# Altium PCB qfc.PcbDoc (part 7 of 13) (continued)
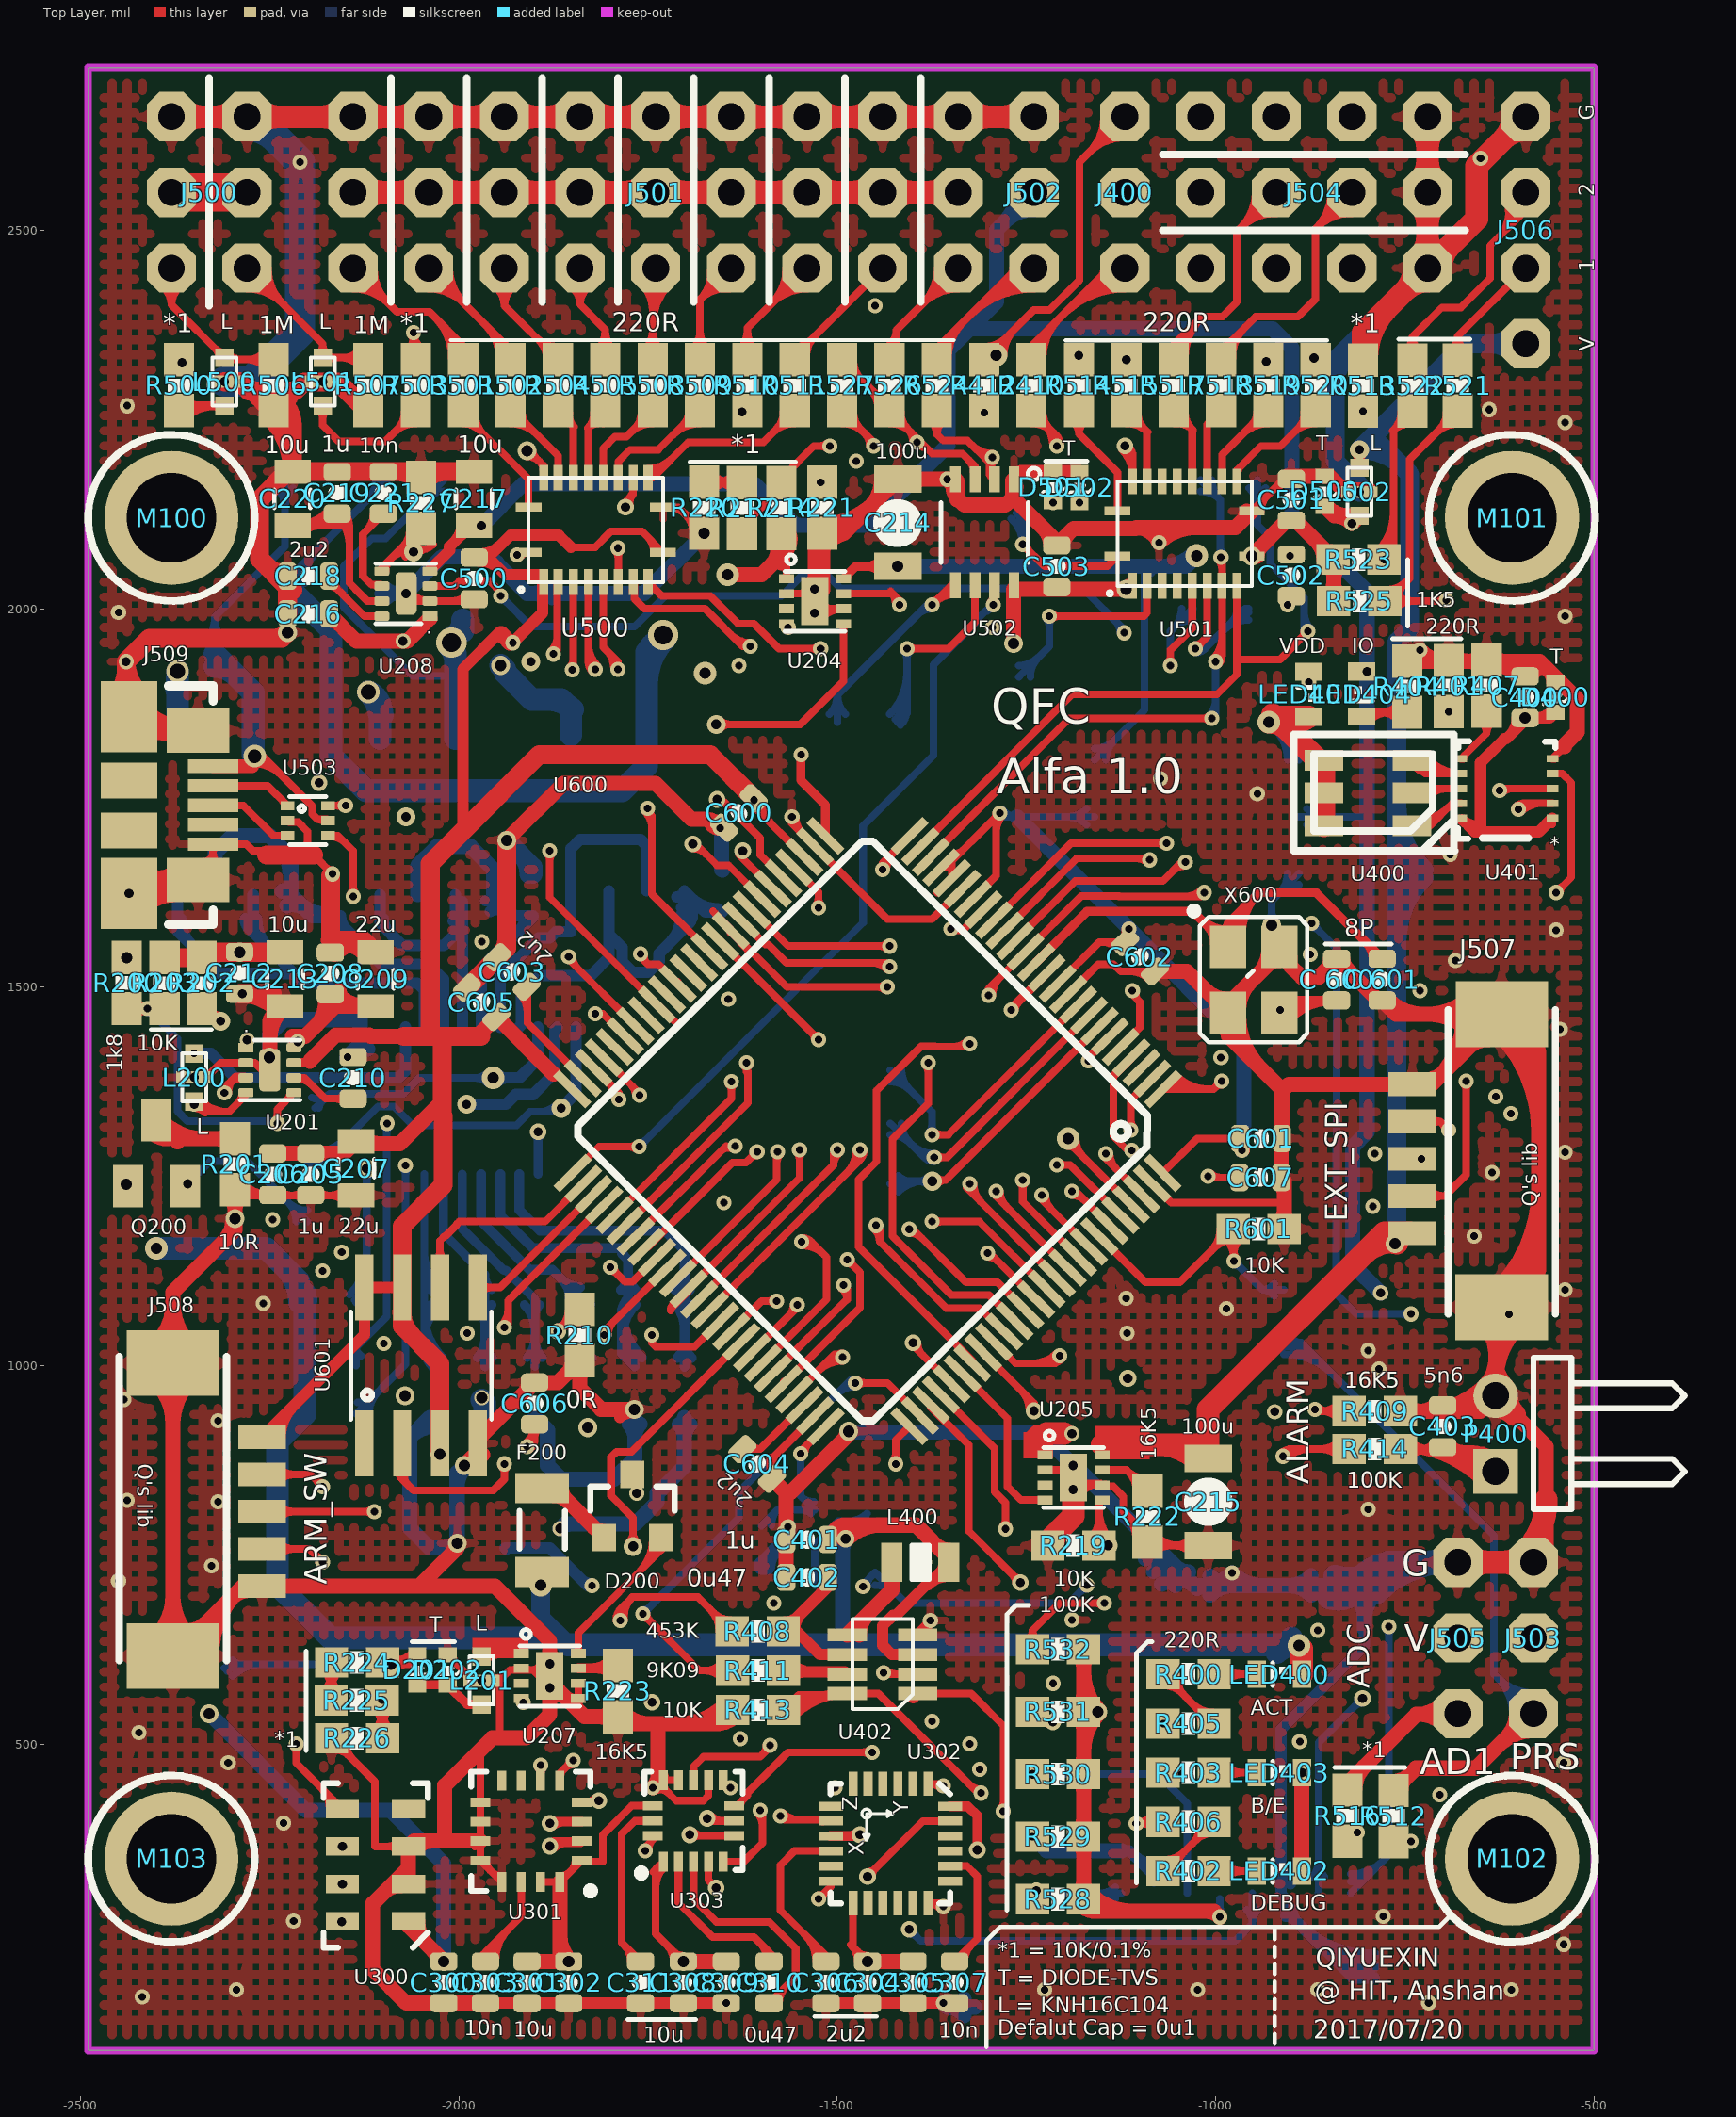
[diagram p0: Top Layer view]
## Nets (pads, with @x,y where several pads share a name; then routed paths per layer and width w, separated by ;. In a path a pad name is that pad's centre, name@x,y a point inside that pad or via, vN(x,y) a via of type N, cw(c..) or ccw(c..) an arc to the next point about the centre after c; other vN are vias at no path point) (continued)
  Bottom Layer w10: v1(-873,1584) -840,1551 -840,1299.3 -841,1298.3 -841,1095 -814,1068 v1(-742,1068) ; v1@-873,1579 cw(c-873,1566.93) -864.46,1575.46 ; v1@-873,1579 cw(c-873,1566.93) -864.46,1575.46 ; v1@-873,1579 cw(c-873,1566.93) -864.46,1575.46 ; v1@-873,1579 cw(c-873,1566.93) -864.46,1575.46 ; v1@-868,1584 ccw(c-855.93,1584) -864.46,1575.46 ; v1@-868,1584 ccw(c-855.93,1584) -864.46,1575.46 ; v1@-868,1584 ccw(c-855.93,1584) -864.46,1575.46 ; v1@-868,1584 ccw(c-855.93,1584) -864.46,1575.46 ; -754.07,1068 cw(c-754.07,1055.93) v1@-745.54,1064.46 ; -754.07,1068 ccw(c-754.07,1080.07) v1@-745.54,1071.54 ; -754.07,1068 cw(c-754.07,1055.93) v1@-745.54,1064.46 ; -754.07,1068 ccw(c-754.07,1080.07) v1@-745.54,1071.54 ; -754.07,1068 cw(c-754.07,1055.93) v1@-745.54,1064.46 ; -754.07,1068 ccw(c-754.07,1080.07) v1@-745.54,1071.54 ; -754.07,1068 cw(c-754.07,1055.93) v1@-745.54,1064.46 ; -754.07,1068 ccw(c-754.07,1080.07) v1@-745.54,1071.54
NetC603_P$1: C603.P$1 U600.49 | length 261.5
  Top Layer w10: C603.P$1@-1910.51,1500.51 -1909.5,1499.5 -1909.5,1452.62 U600.49@-1836.15,1379.27 ; C603.P$1@-1919.71,1491.32 cw(c-1944.34,1466.68) -1909.5,1466.68 ; C603.P$1@-1919.71,1491.32 cw(c-1944.34,1466.68) -1909.5,1466.68 ; C603.P$1@-1919.71,1491.32 cw(c-1944.34,1466.68) -1909.5,1466.68 ; C603.P$1@-1919.71,1491.32 cw(c-1944.34,1466.68) -1909.5,1466.68
NetC604_P$1: C604.P$1 U600.73 | length 170.5
  Top Layer w10: C604.P$1@-1625.49,889.49 -1601.91,889.49 ; U600.73@-1543.44,947.96 -1601.91,889.49 ; C604.P$1@-1615.16,897.19 ccw(c-1601.91,904.73) -1601.91,889.49 ; C604.P$1@-1615.16,897.19 ccw(c-1601.91,904.73) -1601.91,889.49 ; C604.P$1@-1615.16,897.19 ccw(c-1601.91,904.73) -1601.91,889.49 ; C604.P$1@-1615.16,897.19 ccw(c-1601.91,904.73) -1601.91,889.49
"NetC 600_P$1": "C 600.P$1" U600.12 X600.3 | length 1210.2
  Top Layer w12: v1@-1270,1471.72 U600.12@-1223.15,1518.57 ; X600.3@-915,1467 X600.3@-916,1466 -899.56,1482.44 -840,1482.44 ; v1@-1266,1470 cw(c-1252.2,1470) -1261.96,1479.76 ; v1@-1266,1470 cw(c-1252.2,1470) -1261.96,1479.76 ; v1@-1266,1470 cw(c-1252.2,1470) -1261.96,1479.76 ; v1@-1266,1470 cw(c-1252.2,1470) -1261.96,1479.76 ; X600.3@-915,1474 ccw(c-915,1490.9) X600.3@-903.05,1478.95 ; X600.3@-915,1474 ccw(c-915,1490.9) X600.3@-903.05,1478.95 ; X600.3@-915,1474 ccw(c-915,1490.9) X600.3@-903.05,1478.95 ; X600.3@-915,1474 ccw(c-915,1490.9) X600.3@-903.05,1478.95 ; X600.3@-911.76,1465.76 cw(c-871.48,1425.48) -871.48,1482.44 ; X600.3@-911.76,1465.76 cw(c-871.48,1425.48) -871.48,1482.44 ; X600.3@-911.76,1465.76 cw(c-871.48,1425.48) -871.48,1482.44 ; X600.3@-911.76,1465.76 cw(c-871.48,1425.48) -871.48,1482.44 ; X600.3@-903.27,1457.27 cw(c-842.51,1396.51) -842.51,1482.44 ; X600.3@-903.27,1457.27 cw(c-842.51,1396.51) -842.51,1482.44 ; X600.3@-903.27,1457.27 cw(c-842.51,1396.51) -842.51,1482.44 ; X600.3@-903.27,1457.27 cw(c-842.51,1396.51) -842.51,1482.44 ; -860.49,1482.44 cw(c-860.49,1467.96) -850.24,1478.2 ; -860.49,1482.44 ccw(c-860.49,1496.93) -850.24,1486.68 ; -860.49,1482.44 cw(c-860.49,1467.96) -850.24,1478.2 ; -860.49,1482.44 ccw(c-860.49,1496.93) -850.24,1486.68 ; -860.49,1482.44 cw(c-860.49,1467.96) -850.24,1478.2 ; -860.49,1482.44 ccw(c-860.49,1496.93) -850.24,1486.68 ; -860.49,1482.44 cw(c-860.49,1467.96) -850.24,1478.2 ; -860.49,1482.44 ccw(c-860.49,1496.93) -850.24,1486.68
  Mid-Layer 1 w12: v1(-1270,1470) -1269.65,1469.65 -915.35,1469.65 v1(-915,1470) ; v1@-1267.17,1472.83 ccw(c-1259.51,1480.49) -1259.51,1469.65 ; v1@-1267.17,1472.83 ccw(c-1259.51,1480.49) -1259.51,1469.65 ; v1@-1267.17,1472.83 ccw(c-1259.51,1480.49) -1259.51,1469.65 ; v1@-1267.17,1472.83 ccw(c-1259.51,1480.49) -1259.51,1469.65 ; -925.49,1469.65 ccw(c-925.49,1480.49) v1@-917.83,1472.83 ; -925.49,1469.65 ccw(c-925.49,1480.49) v1@-917.83,1472.83 ; -925.49,1469.65 ccw(c-925.49,1480.49) v1@-917.83,1472.83 ; -925.49,1469.65 ccw(c-925.49,1480.49) v1@-917.83,1472.83
"NetC 601_P$2": "C 601.P$2" U600.13 X600.1 | length 1712.1
  Top Layer w12: U600.13@-1237.29,1532.71 -1170,1600 -1030.15,1600 X600.1@-983.46,1553.31 -983.46,1584.54 ; -780,1537.56 -867.44,1625 -943,1625 ; -1021.02,1590.87 ccw(c-983.46,1628.42) X600.1@-983.46,1575.31 ; -1021.02,1590.87 ccw(c-983.46,1628.42) X600.1@-983.46,1575.31 ; -1021.02,1590.87 ccw(c-983.46,1628.42) X600.1@-983.46,1575.31 ; -1021.02,1590.87 ccw(c-983.46,1628.42) X600.1@-983.46,1575.31 ; -1011.36,1581.21 cw(c-1035.26,1557.31) X600.1@-1001.46,1557.31 ; -1011.36,1581.21 cw(c-1035.26,1557.31) X600.1@-1001.46,1557.31 ; -1011.36,1581.21 cw(c-1035.26,1557.31) X600.1@-1001.46,1557.31 ; -1011.36,1581.21 cw(c-1035.26,1557.31) X600.1@-1001.46,1557.31 ; X600.1@-990.51,1573.87 ccw(c-995.05,1584.53) -983.46,1584.53 ; X600.1@-990.51,1573.87 ccw(c-995.05,1584.53) -983.46,1584.53 ; X600.1@-990.51,1573.87 ccw(c-995.05,1584.53) -983.46,1584.53 ; X600.1@-990.51,1573.87 ccw(c-995.05,1584.53) -983.46,1584.53 ; X600.1@-989.42,1556.58 cw(c-949.17,1561.49) -977.84,1590.16 ; X600.1@-989.42,1556.58 cw(c-949.17,1561.49) -977.84,1590.16 ; X600.1@-989.42,1556.58 cw(c-949.17,1561.49) -977.84,1590.16 ; X600.1@-989.42,1556.58 cw(c-949.17,1561.49) -977.84,1590.16 ; -983.46,1584.53 ccw(c-971.87,1584.53) X600.1@-976.41,1573.87 ; -983.46,1584.53 ccw(c-971.87,1584.53) X600.1@-976.41,1573.87 ; -983.46,1584.53 ccw(c-971.87,1584.53) X600.1@-976.41,1573.87 ; -983.46,1584.53 ccw(c-971.87,1584.53) X600.1@-976.41,1573.87 ; -983.46,1584.54 -943,1625 ; X600.1@-977.51,1558.03 cw(c-918.11,1565.27) -960.42,1607.58 ; X600.1@-977.51,1558.03 cw(c-918.11,1565.27) -960.42,1607.58 ; X600.1@-977.51,1558.03 cw(c-918.11,1565.27) -960.42,1607.58 ; X600.1@-977.51,1558.03 cw(c-918.11,1565.27) -960.42,1607.58 ; X600.1@-965.6,1559.49 cw(c-887.06,1569.05) -943,1625 ; X600.1@-965.6,1559.49 cw(c-887.06,1569.05) -943,1625 ; X600.1@-965.6,1559.49 cw(c-887.06,1569.05) -943,1625 ; X600.1@-965.6,1559.49 cw(c-887.06,1569.05) -943,1625 ; -800.49,1558.05 cw(c-820.97,1537.56) -792,1537.56 ; -800.49,1558.05 cw(c-820.97,1537.56) -792,1537.56 ; -800.49,1558.05 cw(c-820.97,1537.56) -792,1537.56 ; -800.49,1558.05 cw(c-820.97,1537.56) -792,1537.56
NetD200_1: D200.1 F200.1 | length 321.1
  Top Layer w20: F200.1@-1890,838.12 -1873.81,838.12 D200.1@-1808.4,772.71 ; F200.1@-1874.5,828.12 cw(c-1874.5,802.31) F200.1@-1856.25,820.56 ; F200.1@-1874.5,828.12 cw(c-1874.5,802.31) F200.1@-1856.25,820.56 ; F200.1@-1874.5,828.12 cw(c-1874.5,802.31) F200.1@-1856.25,820.56 ; F200.1@-1874.5,828.12 cw(c-1874.5,802.31) F200.1@-1856.25,820.56 ; F200.1@-1864.5,838.12 ccw(c-1842.02,838.12) F200.1@-1857.92,822.22 ; F200.1@-1864.5,838.12 ccw(c-1842.02,838.12) F200.1@-1857.92,822.22 ; F200.1@-1864.5,838.12 ccw(c-1842.02,838.12) F200.1@-1857.92,822.22 ; F200.1@-1864.5,838.12 ccw(c-1842.02,838.12) F200.1@-1857.92,822.22 ; D200.1@-1822.06,786.36 ccw(c-1808.4,800.02) D200.1@-1808.4,780.71 ; D200.1@-1822.06,786.36 ccw(c-1808.4,800.02) D200.1@-1808.4,780.71 ; D200.1@-1822.06,786.36 ccw(c-1808.4,800.02) D200.1@-1808.4,780.71 ; D200.1@-1822.06,786.36 ccw(c-1808.4,800.02) D200.1@-1808.4,780.71
NetD200_2: D200.2 U207.8 | length 511.8
  Top Layer w10: U207.8@-1842,619.53 -1842,647.04 -1733,756.04 D200.2@-1733,772.71 ; -1762.15,726.89 ccw(c-1805.96,770.71) D200.2@-1744,770.71 ; -1762.15,726.89 ccw(c-1805.96,770.71) D200.2@-1744,770.71 ; -1762.15,726.89 ccw(c-1805.96,770.71) D200.2@-1744,770.71 ; -1762.15,726.89 ccw(c-1805.96,770.71) D200.2@-1744,770.71 ; -1745.08,743.96 ccw(c-1771.82,770.71) D200.2@-1734,770.71 ; -1745.08,743.96 ccw(c-1771.82,770.71) D200.2@-1734,770.71 ; -1745.08,743.96 ccw(c-1771.82,770.71) D200.2@-1734,770.71 ; -1745.08,743.96 ccw(c-1771.82,770.71) D200.2@-1734,770.71
NetD201_C: D201.C D202.C L201.P$1 | length 232.2
  Top Layer w12: D201.C@-2055,577.93 D202.C@-2015,577.93 -1989.19,552.12 L201.P$1@-1970,552.12 ; D202.C@-2009,577.93 ccw(c-1994.51,577.93) -2004.76,567.69 ; D202.C@-2009,577.93 ccw(c-1994.51,577.93) -2004.76,567.69 ; D202.C@-2009,577.93 ccw(c-1994.51,577.93) -2004.76,567.69 ; D202.C@-2009,577.93 ccw(c-1994.51,577.93) -2004.76,567.69 ; -1984.48,552.12 cw(c-1984.48,537.63) L201.P$1@-1974.24,547.88 ; -1984.48,552.12 ccw(c-1984.48,566.6) L201.P$1@-1974.24,556.36 ; -1984.48,552.12 cw(c-1984.48,537.63) L201.P$1@-1974.24,547.88 ; -1984.48,552.12 ccw(c-1984.48,566.6) L201.P$1@-1974.24,556.36 ; -1984.48,552.12 cw(c-1984.48,537.63) L201.P$1@-1974.24,547.88 ; -1984.48,552.12 ccw(c-1984.48,566.6) L201.P$1@-1974.24,556.36 ; -1984.48,552.12 cw(c-1984.48,537.63) L201.P$1@-1974.24,547.88 ; -1984.48,552.12 ccw(c-1984.48,566.6) L201.P$1@-1974.24,556.36
NetD500_C: D500.C J503.VCC J505.VCC L502.P$1 | length 3176.9
  Top Layer w20: D500.C@-856,2135.32 -843.19,2122.5 ; D500.C@-854,2135.32 ccw(c-823.07,2166.25) -823.07,2122.5 ; D500.C@-854,2135.32 ccw(c-823.07,2166.25) -823.07,2122.5 ; D500.C@-854,2135.32 ccw(c-823.07,2166.25) -823.07,2122.5 ; D500.C@-854,2135.32 ccw(c-823.07,2166.25) -823.07,2122.5 ; -843.19,2122.5 cw(c-843.19,2090.62) v4(-820,2112.5) ; -843.19,2122.5 cw(c-843.19,2090.62) v4(-820,2112.5) ; -843.19,2122.5 cw(c-843.19,2090.62) v4(-820,2112.5) ; -843.19,2122.5 cw(c-843.19,2090.62) v4(-820,2112.5) ; -843.19,2122.5 L502.P$1@-810,2122.5 v4(-820,2112.5)
  Mid-Layer 2 w15: v4@-827,2105.5 -827,1580.95 -822.76,1576.71 -822.76,1556.41 -827,1552.17 -827,1528.46 -823.5,1524.96 -823.5,1183.32 -774.18,1134 -772,1134 -658.28,1020.28 ; -827,2089.57 cw(c-797.06,2089.57) v4@-818.23,2110.74 ; -827,2089.57 cw(c-797.06,2089.57) v4@-818.23,2110.74 ; -827,2089.57 cw(c-797.06,2089.57) v4@-818.23,2110.74 ; -827,2089.57 cw(c-797.06,2089.57) v4@-818.23,2110.74
  Mid-Layer 2 w20: v4@-827,2105.5 v4(-820,2112.5) ; J505.VCC@-680,640 J503.VCC@-580,640 -530.5,689.5 -530.5,763.29 -530.5,774.5 -578,822 -578,989 -609.28,1020.28 -658.28,1020.28 ; J505.VCC@-664.09,624.09 cw(c-625.68,585.68) -625.68,640 ; J505.VCC@-664.09,624.09 cw(c-625.68,585.68) -625.68,640 ; J505.VCC@-664.09,624.09 cw(c-625.68,585.68) -625.68,640 ; J505.VCC@-664.09,624.09 cw(c-625.68,585.68) -625.68,640 ; J505.VCC@-664.09,655.91 ccw(c-625.68,694.32) -625.68,640 ; J505.VCC@-664.09,655.91 ccw(c-625.68,694.32) -625.68,640 ; J505.VCC@-664.09,655.91 ccw(c-625.68,694.32) -625.68,640 ; J505.VCC@-664.09,655.91 ccw(c-625.68,694.32) -625.68,640 ; -634.32,640 cw(c-634.32,585.68) J503.VCC@-595.91,624.09 ; -634.32,640 ccw(c-634.32,694.32) J503.VCC@-595.91,655.91 ; -634.32,640 cw(c-634.32,585.68) J503.VCC@-595.91,624.09 ; -634.32,640 ccw(c-634.32,694.32) J503.VCC@-595.91,655.91 ; -634.32,640 cw(c-634.32,585.68) J503.VCC@-595.91,624.09 ; -634.32,640 ccw(c-634.32,694.32) J503.VCC@-595.91,655.91 ; -634.32,640 cw(c-634.32,585.68) J503.VCC@-595.91,624.09 ; -634.32,640 ccw(c-634.32,694.32) J503.VCC@-595.91,655.91 ; J503.VCC@-580,662.5 ccw(c-580,716.82) -541.59,678.41 ; J503.VCC@-580,662.5 ccw(c-580,716.82) -541.59,678.41 ; J503.VCC@-580,662.5 ccw(c-580,716.82) -541.59,678.41 ; J503.VCC@-580,662.5 ccw(c-580,716.82) -541.59,678.41 ; J503.VCC@-557.5,640 cw(c-503.18,640) -541.59,678.41 ; J503.VCC@-557.5,640 cw(c-503.18,640) -541.59,678.41 ; J503.VCC@-557.5,640 cw(c-503.18,640) -541.59,678.41 ; J503.VCC@-557.5,640 cw(c-503.18,640) -541.59,678.41
NetD501_C: D501.C R524.1 U502.2 U600.63 | length 2779.6
  Top Layer w10: U600.63@-1682.74,1087.26 -1505,1265 -1505,1280 v1(-1500,1285) ; R524.1@-1368.52,2261.54 -1368.52,2230.52 ; v1@-1300.48,2194.52 -1327.96,2222 -1360,2222 -1368.52,2230.52 ; U502.2@-1292.41,2177.68 -1299,2177.68 v1@-1299,2193.04 ; v1(-1215,2140) D501.C@-1215,2141.32 ; -1505,1264.39 cw(c-1483.75,1264.39) v1@-1496.9,1281.07 ; -1505,1264.39 cw(c-1483.75,1264.39) v1@-1496.9,1281.07 ; -1505,1264.39 cw(c-1483.75,1264.39) v1@-1496.9,1281.07 ; -1505,1264.39 cw(c-1483.75,1264.39) v1@-1496.9,1281.07 ; R524.1@-1377.19,2247.3 cw(c-1389.08,2230.52) -1368.52,2230.52 ; R524.1@-1377.19,2247.3 cw(c-1389.08,2230.52) -1368.52,2230.52 ; R524.1@-1377.19,2247.3 cw(c-1389.08,2230.52) -1368.52,2230.52 ; R524.1@-1377.19,2247.3 cw(c-1389.08,2230.52) -1368.52,2230.52 ; -1368.52,2230.52 cw(c-1347.96,2230.52) R524.1@-1359.85,2247.3 ; -1368.52,2230.52 cw(c-1347.96,2230.52) R524.1@-1359.85,2247.3 ; -1368.52,2230.52 cw(c-1347.96,2230.52) R524.1@-1359.85,2247.3 ; -1368.52,2230.52 cw(c-1347.96,2230.52) R524.1@-1359.85,2247.3 ; -1322.24,2216.28 ccw(c-1295,2243.53) v1@-1295,2205 ; -1322.24,2216.28 ccw(c-1295,2243.53) v1@-1295,2205 ; -1322.24,2216.28 ccw(c-1295,2243.53) v1@-1295,2205 ; -1322.24,2216.28 ccw(c-1295,2243.53) v1@-1295,2205 ; -1305.17,2199.21 ccw(c-1295,2209.38) v1@-1295,2195 ; -1305.17,2199.21 ccw(c-1295,2209.38) v1@-1295,2195 ; -1305.17,2199.21 ccw(c-1295,2209.38) v1@-1295,2195 ; -1305.17,2199.21 ccw(c-1295,2209.38) v1@-1295,2195 ; U502.2@-1299,2178.27 cw(c-1273.27,2178.27) v1@-1291.46,2196.46 ; U502.2@-1299,2178.27 cw(c-1273.27,2178.27) v1@-1291.46,2196.46 ; U502.2@-1299,2178.27 cw(c-1273.27,2178.27) v1@-1291.46,2196.46 ; U502.2@-1299,2178.27 cw(c-1273.27,2178.27) v1@-1291.46,2196.46 ; U502.2@-1299,2179.22 ccw(c-1292.75,2179.22) U502.2@-1294.71,2173.28 ; U502.2@-1299,2179.22 ccw(c-1292.75,2179.22) U502.2@-1294.71,2173.28 ; U502.2@-1299,2179.22 ccw(c-1292.75,2179.22) U502.2@-1294.71,2173.28 ; U502.2@-1299,2179.22 ccw(c-1292.75,2179.22) U502.2@-1294.71,2173.28 ; v1@-1299,2193.04 ccw(c-1288.2,2193.04) U502.2@-1291.58,2182.78 ; v1@-1299,2193.04 ccw(c-1288.2,2193.04) U502.2@-1291.58,2182.78 ; v1@-1299,2193.04 ccw(c-1288.2,2193.04) U502.2@-1291.58,2182.78 ; v1@-1299,2193.04 ccw(c-1288.2,2193.04) U502.2@-1291.58,2182.78
  Mid-Layer 1 w10: v1(-1475,2195) -1473.04,2193.04 -1268.04,2193.04 ; v1(-1215,2140) -1268.04,2193.04 ; v1@-1471.46,2198.54 ccw(c-1458.2,2211.8) -1458.2,2193.04 ; v1@-1471.46,2198.54 ccw(c-1458.2,2211.8) -1458.2,2193.04 ; v1@-1471.46,2198.54 ccw(c-1458.2,2211.8) -1458.2,2193.04 ; v1@-1471.46,2198.54 ccw(c-1458.2,2211.8) -1458.2,2193.04 ; -1323.87,2193.04 ccw(c-1323.87,2228.87) v1@-1298.54,2203.54 ; -1323.87,2193.04 ccw(c-1323.87,2228.87) v1@-1298.54,2203.54 ; -1323.87,2193.04 ccw(c-1323.87,2228.87) v1@-1298.54,2203.54 ; -1323.87,2193.04 ccw(c-1323.87,2228.87) v1@-1298.54,2203.54 ; v1@-1291.29,2203.36 ccw(c-1268.04,2224.4) -1268.04,2193.04 ; v1@-1291.29,2203.36 ccw(c-1268.04,2224.4) -1268.04,2193.04 ; v1@-1291.29,2203.36 ccw(c-1268.04,2224.4) -1268.04,2193.04 ; v1@-1291.29,2203.36 ccw(c-1268.04,2224.4) -1268.04,2193.04 ; -1223.54,2148.54 cw(c-1232.07,2140) v1@-1220,2140 ; -1223.54,2148.54 ccw(c-1215,2157.07) v1@-1215,2145 ; -1223.54,2148.54 cw(c-1232.07,2140) v1@-1220,2140 ; -1223.54,2148.54 ccw(c-1215,2157.07) v1@-1215,2145 ; -1223.54,2148.54 cw(c-1232.07,2140) v1@-1220,2140 ; -1223.54,2148.54 ccw(c-1215,2157.07) v1@-1215,2145 ; -1223.54,2148.54 cw(c-1232.07,2140) v1@-1220,2140 ; -1223.54,2148.54 ccw(c-1215,2157.07) v1@-1215,2145
  Mid-Layer 2 w10: v1(-1500,1285) -1500,1605.96 -1483,1622.96 -1483,2187 v1(-1475,2195) ; v1@-1503.54,1288.54 ccw(c-1512.07,1297.07) -1500,1297.07 ; v1@-1503.54,1288.54 ccw(c-1512.07,1297.07) -1500,1297.07 ; v1@-1503.54,1288.54 ccw(c-1512.07,1297.07) -1500,1297.07 ; v1@-1503.54,1288.54 ccw(c-1512.07,1297.07) -1500,1297.07 ; -1500,1297.07 ccw(c-1487.93,1297.07) v1@-1496.46,1288.54 ; -1500,1297.07 ccw(c-1487.93,1297.07) v1@-1496.46,1288.54 ; -1500,1297.07 ccw(c-1487.93,1297.07) v1@-1496.46,1288.54 ; -1500,1297.07 ccw(c-1487.93,1297.07) v1@-1496.46,1288.54 ; -1483,2163.62 cw(c-1443.62,2163.62) v1@-1471.46,2191.46 ; -1483,2163.62 cw(c-1443.62,2163.62) v1@-1471.46,2191.46 ; -1483,2163.62 cw(c-1443.62,2163.62) v1@-1471.46,2191.46 ; -1483,2163.62 cw(c-1443.62,2163.62) v1@-1471.46,2191.46 ; -1483,2187.76 cw(c-1467.76,2187.76) v1@-1478.54,2198.54 ; -1483,2187.76 cw(c-1467.76,2187.76) v1@-1478.54,2198.54 ; -1483,2187.76 cw(c-1467.76,2187.76) v1@-1478.54,2198.54 ; -1483,2187.76 cw(c-1467.76,2187.76) v1@-1478.54,2198.54
  other v1: -1295,2200
NetD502_C: D502.C R526.1 R527.2 U502.3 | length 1566.5
  Top Layer w10: R527.2@-1493.71,2329 -1493.71,2328.38 -1431.11,2265.79 R526.1@-1431.11,2261.54 -1374.58,2205 -1335,2205 -1318,2188 U502.3@-1318,2170.88 ; v1(-1180,2140) D502.C@-1180,2140.32 ; R527.2@-1493.71,2312 cw(c-1493.71,2272.46) -1465.74,2300.42 ; R527.2@-1493.71,2312 cw(c-1493.71,2272.46) -1465.74,2300.42 ; R527.2@-1493.71,2312 cw(c-1493.71,2272.46) -1465.74,2300.42 ; R527.2@-1493.71,2312 cw(c-1493.71,2272.46) -1465.74,2300.42 ; R527.2@-1478.71,2327 ccw(c-1445.82,2327) -1469.07,2303.75 ; R527.2@-1478.71,2327 ccw(c-1445.82,2327) -1469.07,2303.75 ; R527.2@-1478.71,2327 ccw(c-1445.82,2327) -1469.07,2303.75 ; R527.2@-1478.71,2327 ccw(c-1445.82,2327) -1469.07,2303.75 ; -1458.31,2292.99 cw(c-1487.76,2263.54) R526.1@-1446.11,2263.54 ; -1458.31,2292.99 cw(c-1487.76,2263.54) R526.1@-1446.11,2263.54 ; -1458.31,2292.99 cw(c-1487.76,2263.54) R526.1@-1446.11,2263.54 ; -1458.31,2292.99 cw(c-1487.76,2263.54) R526.1@-1446.11,2263.54 ; -1452.88,2287.55 ccw(c-1431.11,2309.32) R526.1@-1431.11,2278.54 ; -1452.88,2287.55 ccw(c-1431.11,2309.32) R526.1@-1431.11,2278.54 ; -1452.88,2287.55 ccw(c-1431.11,2309.32) R526.1@-1431.11,2278.54 ; -1452.88,2287.55 ccw(c-1431.11,2309.32) R526.1@-1431.11,2278.54 ; R526.1@-1431.11,2244.54 cw(c-1431.11,2203.5) -1402.09,2232.52 ; R526.1@-1431.11,2244.54 cw(c-1431.11,2203.5) -1402.09,2232.52 ; R526.1@-1431.11,2244.54 cw(c-1431.11,2203.5) -1402.09,2232.52 ; R526.1@-1431.11,2244.54 cw(c-1431.11,2203.5) -1402.09,2232.52 ; R526.1@-1416.11,2259.54 ccw(c-1384.73,2259.54) -1406.92,2237.34 ; R526.1@-1416.11,2259.54 ccw(c-1384.73,2259.54) -1406.92,2237.34 ; R526.1@-1416.11,2259.54 ccw(c-1384.73,2259.54) -1406.92,2237.34 ; R526.1@-1416.11,2259.54 ccw(c-1384.73,2259.54) -1406.92,2237.34 ; -1407.37,2237.8 cw(c-1425.17,2220) v1@-1400,2220 ; -1407.37,2237.8 cw(c-1425.17,2220) v1@-1400,2220 ; -1407.37,2237.8 cw(c-1425.17,2220) v1@-1400,2220 ; -1407.37,2237.8 cw(c-1425.17,2220) v1@-1400,2220 ; v1@-1395,2215 cw(c-1395,2189.83) -1377.2,2207.63 ; v1@-1395,2215 cw(c-1395,2189.83) -1377.2,2207.63 ; v1@-1395,2215 cw(c-1395,2189.83) -1377.2,2207.63 ; v1@-1395,2215 cw(c-1395,2189.83) -1377.2,2207.63 ; -1326.45,2196.45 cw(c-1342.01,2180.88) U502.3@-1320,2180.88 ; -1326.45,2196.45 cw(c-1342.01,2180.88) U502.3@-1320,2180.88 ; -1326.45,2196.45 cw(c-1342.01,2180.88) U502.3@-1320,2180.88 ; -1326.45,2196.45 cw(c-1342.01,2180.88) U502.3@-1320,2180.88
  Mid-Layer 1 w10: v1(-1395,2220) -1391.65,2223.35 -1263.35,2223.35 v1(-1180,2140) ; v1@-1391.46,2216.46 cw(c-1374.84,2199.84) -1374.84,2223.35 ; v1@-1391.46,2216.46 cw(c-1374.84,2199.84) -1374.84,2223.35 ; v1@-1391.46,2216.46 cw(c-1374.84,2199.84) -1374.84,2223.35 ; v1@-1391.46,2216.46 cw(c-1374.84,2199.84) -1374.84,2223.35 ; -1188.54,2148.54 cw(c-1197.07,2140) v1@-1185,2140 ; -1188.54,2148.54 ccw(c-1180,2157.07) v1@-1180,2145 ; -1188.54,2148.54 cw(c-1197.07,2140) v1@-1185,2140 ; -1188.54,2148.54 ccw(c-1180,2157.07) v1@-1180,2145 ; -1188.54,2148.54 cw(c-1197.07,2140) v1@-1185,2140 ; -1188.54,2148.54 ccw(c-1180,2157.07) v1@-1180,2145 ; -1188.54,2148.54 cw(c-1197.07,2140) v1@-1185,2140 ; -1188.54,2148.54 ccw(c-1180,2157.07) v1@-1180,2145
  Mid-Layer 2 w10: v1@-1396.12,2221.12 v1(-1395,2220)
NetD600_C: D600.C R600.2 | length 480.1
  Bottom Layer w10: D600.C@-1530,710 -1530,763.23 -1498.73,794.5 -1450.5,794.5 R600.2@-1450,794 ; D600.C@-1534.95,718.95 ccw(c-1546.9,730.9) -1530,730.9 ; D600.C@-1534.95,718.95 ccw(c-1546.9,730.9) -1530,730.9 ; D600.C@-1534.95,718.95 ccw(c-1546.9,730.9) -1530,730.9 ; D600.C@-1534.95,718.95 ccw(c-1546.9,730.9) -1530,730.9 ; -1530,730.9 ccw(c-1513.1,730.9) D600.C@-1525.05,718.95 ; -1530,730.9 ccw(c-1513.1,730.9) D600.C@-1525.05,718.95 ; -1530,730.9 ccw(c-1513.1,730.9) D600.C@-1525.05,718.95 ; -1530,730.9 ccw(c-1513.1,730.9) D600.C@-1525.05,718.95 ; -1487.42,794.5 cw(c-1487.42,756.58) R600.2@-1460.61,783.39 ; -1487.42,794.5 cw(c-1487.42,756.58) R600.2@-1460.61,783.39 ; -1487.42,794.5 cw(c-1487.42,756.58) R600.2@-1460.61,783.39 ; -1487.42,794.5 cw(c-1487.42,756.58) R600.2@-1460.61,783.39 ; -1485,794.5 ccw(c-1485,829) R600.2@-1460.61,804.61 ; -1485,794.5 ccw(c-1485,829) R600.2@-1460.61,804.61 ; -1485,794.5 ccw(c-1485,829) R600.2@-1460.61,804.61 ; -1485,794.5 ccw(c-1485,829) R600.2@-1460.61,804.61
NetJ400_1: J400.1 R410.2 | length 1483.2
  Top Layer w10: R410.2@-1243.34,2329 -1243.34,2346.66 -1140,2450 J400.1@-1120,2450 ; R410.2@-1238.34,2331 cw(c-1188.45,2331) -1223.72,2366.28 ; R410.2@-1238.34,2331 cw(c-1188.45,2331) -1223.72,2366.28 ; R410.2@-1238.34,2331 cw(c-1188.45,2331) -1223.72,2366.28 ; R410.2@-1238.34,2331 cw(c-1188.45,2331) -1223.72,2366.28 ; R410.2@-1228.34,2331 cw(c-1154.31,2331) -1206.65,2383.35 ; R410.2@-1228.34,2331 cw(c-1154.31,2331) -1206.65,2383.35 ; R410.2@-1228.34,2331 cw(c-1154.31,2331) -1206.65,2383.35 ; R410.2@-1228.34,2331 cw(c-1154.31,2331) -1206.65,2383.35 ; -1201.09,2388.91 cw(c-1120,2307.82) J400.1@-1120,2422.5 ; -1201.09,2388.91 cw(c-1120,2307.82) J400.1@-1120,2422.5 ; -1201.09,2388.91 cw(c-1120,2307.82) J400.1@-1120,2422.5 ; -1201.09,2388.91 cw(c-1120,2307.82) J400.1@-1120,2422.5 ; -1184.02,2405.98 cw(c-1120,2341.97) J400.1@-1120,2432.5 ; -1184.02,2405.98 cw(c-1120,2341.97) J400.1@-1120,2432.5 ; -1184.02,2405.98 cw(c-1120,2341.97) J400.1@-1120,2432.5 ; -1184.02,2405.98 cw(c-1120,2341.97) J400.1@-1120,2432.5 ; -1166.95,2423.05 cw(c-1120,2376.11) J400.1@-1120,2442.5 ; -1166.95,2423.05 cw(c-1120,2376.11) J400.1@-1120,2442.5 ; -1166.95,2423.05 cw(c-1120,2376.11) J400.1@-1120,2442.5 ; -1166.95,2423.05 cw(c-1120,2376.11) J400.1@-1120,2442.5 ; -1152.8,2437.2 ccw(c-1165.61,2450) J400.1@-1147.5,2450 ; -1152.8,2437.2 ccw(c-1165.61,2450) J400.1@-1147.5,2450 ; -1152.8,2437.2 ccw(c-1165.61,2450) J400.1@-1147.5,2450 ; -1152.8,2437.2 ccw(c-1165.61,2450) J400.1@-1147.5,2450
NetJ400_GND: J400.GND R412.2 U600.97 | length 3207.2
  Top Layer w10: R412.2@-1305.93,2329 -1240.41,2394.52 -1219.52,2394.52 -1180,2434.04 -1180,2590 J400.GND@-1120,2650 ; R412.2@-1294.34,2339.34 v5(-1290,2335) ; v5(-1195,1300) -1195,1295.55 U600.97@-1111.99,1212.54 ; R412.2@-1305.93,2346 ccw(c-1305.93,2387.04) -1276.91,2358.02 ; R412.2@-1305.93,2346 ccw(c-1305.93,2387.04) -1276.91,2358.02 ; R412.2@-1305.93,2346 ccw(c-1305.93,2387.04) -1276.91,2358.02 ; R412.2@-1305.93,2346 ccw(c-1305.93,2387.04) -1276.91,2358.02 ; R412.2@-1290.93,2331 cw(c-1259.54,2331) -1281.74,2353.19 ; R412.2@-1290.93,2331 cw(c-1259.54,2331) -1281.74,2353.19 ; R412.2@-1290.93,2331 cw(c-1259.54,2331) -1281.74,2353.19 ; R412.2@-1290.93,2331 cw(c-1259.54,2331) -1281.74,2353.19 ; v5(-1290,2335) cw(c-1266.03,2335) -1282.98,2351.95 ; v5(-1290,2335) cw(c-1266.03,2335) -1282.98,2351.95 ; v5(-1290,2335) cw(c-1266.03,2335) -1282.98,2351.95 ; v5(-1290,2335) cw(c-1266.03,2335) -1282.98,2351.95 ; v5@-1280,2335 cw(c-1231.89,2335) -1265.91,2369.02 ; v5@-1280,2335 cw(c-1231.89,2335) -1265.91,2369.02 ; v5@-1280,2335 cw(c-1231.89,2335) -1265.91,2369.02 ; v5@-1280,2335 cw(c-1231.89,2335) -1265.91,2369.02 ; v5@-1195,1290 cw(c-1195,1276.6) -1185.52,1286.07 ; v5@-1195,1290 cw(c-1195,1276.6) -1185.52,1286.07 ; v5@-1195,1290 cw(c-1195,1276.6) -1185.52,1286.07 ; v5@-1195,1290 cw(c-1195,1276.6) -1185.52,1286.07 ; v5@-1185,1300 ccw(c-1150.12,1300) -1174.78,1275.34 ; v5@-1185,1300 ccw(c-1150.12,1300) -1174.78,1275.34 ; v5@-1185,1300 ccw(c-1150.12,1300) -1174.78,1275.34 ; v5@-1185,1300 ccw(c-1150.12,1300) -1174.78,1275.34 ; -1166.95,2603.05 cw(c-1120,2556.11) J400.GND@-1120,2622.5 ; -1166.95,2603.05 ccw(c-1213.89,2650) J400.GND@-1147.5,2650 ; -1166.95,2603.05 cw(c-1120,2556.11) J400.GND@-1120,2622.5 ; -1166.95,2603.05 ccw(c-1213.89,2650) J400.GND@-1147.5,2650 ; -1166.95,2603.05 cw(c-1120,2556.11) J400.GND@-1120,2622.5 ; -1166.95,2603.05 ccw(c-1213.89,2650) J400.GND@-1147.5,2650 ; -1166.95,2603.05 cw(c-1120,2556.11) J400.GND@-1120,2622.5 ; -1166.95,2603.05 ccw(c-1213.89,2650) J400.GND@-1147.5,2650 ; -1149.87,2620.13 cw(c-1120,2590.25) J400.GND@-1120,2632.5 ; -1149.87,2620.13 ccw(c-1179.75,2650) J400.GND@-1137.5,2650 ; -1149.87,2620.13 cw(c-1120,2590.25) J400.GND@-1120,2632.5 ; -1149.87,2620.13 ccw(c-1179.75,2650) J400.GND@-1137.5,2650 ; -1149.87,2620.13 cw(c-1120,2590.25) J400.GND@-1120,2632.5 ; -1149.87,2620.13 ccw(c-1179.75,2650) J400.GND@-1137.5,2650 ; -1149.87,2620.13 cw(c-1120,2590.25) J400.GND@-1120,2632.5 ; -1149.87,2620.13 ccw(c-1179.75,2650) J400.GND@-1137.5,2650
  Mid-Layer 2 w10: v5(-1290,2335) -1285,2335 -1250,2300 -1250,2135 -1195,2080 v5(-1195,1300) ; v5@-1290,2325 cw(c-1290,2288.79) -1264.39,2314.39 ; v5@-1290,2325 cw(c-1290,2288.79) -1264.39,2314.39 ; v5@-1290,2325 cw(c-1290,2288.79) -1264.39,2314.39 ; v5@-1290,2325 cw(c-1290,2288.79) -1264.39,2314.39 ; v5@-1280,2335 ccw(c-1267.93,2335) -1276.46,2326.46 ; v5@-1280,2335 ccw(c-1267.93,2335) -1276.46,2326.46 ; v5@-1280,2335 ccw(c-1267.93,2335) -1276.46,2326.46 ; v5@-1280,2335 ccw(c-1267.93,2335) -1276.46,2326.46 ; v5@-1202.07,1307.07 ccw(c-1219.14,1324.14) -1195,1324.14 ; v5@-1202.07,1307.07 ccw(c-1219.14,1324.14) -1195,1324.14 ; v5@-1202.07,1307.07 ccw(c-1219.14,1324.14) -1195,1324.14 ; v5@-1202.07,1307.07 ccw(c-1219.14,1324.14) -1195,1324.14 ; -1195,1324.14 ccw(c-1170.86,1324.14) v5@-1187.93,1307.07 ; -1195,1324.14 ccw(c-1170.86,1324.14) v5@-1187.93,1307.07 ; -1195,1324.14 ccw(c-1170.86,1324.14) v5@-1187.93,1307.07 ; -1195,1324.14 ccw(c-1170.86,1324.14) v5@-1187.93,1307.07
NetJ500_1: J500.1 L500.P$1 R506.2 | length 866.8
  Top Layer w10: J500.1@-2380,2450 -2380,2401.5 ; R506.2@-2244.82,2329 -2307.51,2329 L500.P$1@-2310,2331.5 -2380,2401.5 ; J500.1@-2394.12,2426.4 cw(c-2409.03,2401.5) -2380,2401.5 ; J500.1@-2394.12,2426.4 cw(c-2409.03,2401.5) -2380,2401.5 ; J500.1@-2394.12,2426.4 cw(c-2409.03,2401.5) -2380,2401.5 ; J500.1@-2394.12,2426.4 cw(c-2409.03,2401.5) -2380,2401.5 ; -2380,2401.5 cw(c-2350.97,2401.5) J500.1@-2365.88,2426.4 ; -2380,2401.5 cw(c-2350.97,2401.5) J500.1@-2365.88,2426.4 ; -2380,2401.5 cw(c-2350.97,2401.5) J500.1@-2365.88,2426.4 ; -2380,2401.5 cw(c-2350.97,2401.5) J500.1@-2365.88,2426.4 ; L500.P$1@-2321.95,2343.45 cw(c-2333.9,2331.5) L500.P$1@-2317,2331.5 ; L500.P$1@-2321.95,2343.45 ccw(c-2310,2355.4) L500.P$1@-2310,2338.5 ; L500.P$1@-2321.95,2343.45 cw(c-2333.9,2331.5) L500.P$1@-2317,2331.5 ; L500.P$1@-2321.95,2343.45 ccw(c-2310,2355.4) L500.P$1@-2310,2338.5 ; L500.P$1@-2321.95,2343.45 cw(c-2333.9,2331.5) L500.P$1@-2317,2331.5 ; L500.P$1@-2321.95,2343.45 ccw(c-2310,2355.4) L500.P$1@-2310,2338.5 ; L500.P$1@-2321.95,2343.45 cw(c-2333.9,2331.5) L500.P$1@-2317,2331.5 ; L500.P$1@-2321.95,2343.45 ccw(c-2310,2355.4) L500.P$1@-2310,2338.5 ; L500.P$1@-2305.05,2336.45 ccw(c-2287.08,2354.42) -2287.08,2329 ; L500.P$1@-2305.05,2336.45 ccw(c-2287.08,2354.42) -2287.08,2329 ; L500.P$1@-2305.05,2336.45 ccw(c-2287.08,2354.42) -2287.08,2329 ; L500.P$1@-2305.05,2336.45 ccw(c-2287.08,2354.42) -2287.08,2329 ; -2281.03,2329 cw(c-2281.03,2292.79) R506.2@-2255.42,2318.39 ; -2281.03,2329 ccw(c-2281.03,2365.21) R506.2@-2255.42,2339.61 ; -2281.03,2329 cw(c-2281.03,2292.79) R506.2@-2255.42,2318.39 ; -2281.03,2329 ccw(c-2281.03,2365.21) R506.2@-2255.42,2339.61 ; -2281.03,2329 cw(c-2281.03,2292.79) R506.2@-2255.42,2318.39 ; -2281.03,2329 ccw(c-2281.03,2365.21) R506.2@-2255.42,2339.61 ; -2281.03,2329 cw(c-2281.03,2292.79) R506.2@-2255.42,2318.39 ; -2281.03,2329 ccw(c-2281.03,2365.21) R506.2@-2255.42,2339.61